# Altium PCB OCP-TimeCardMini-TI_V1.PcbDoc (part 2 of 11)
Units mil, origin at the board's own origin, x right, y up, seen from the top; angles counter-clockwise.
Board outline 5300.46 x 4396.02 mil, 10 copper layers (L01-TOP, L02-GND, L03-SIG, L04-GND, L05-PWR, L06-PWR, L07-GND, L08-SIG, L09-GND, L10-BOT), stack 77.164 mil thick; 832 components, 574 nets, 2904 pads, 1473 vias.
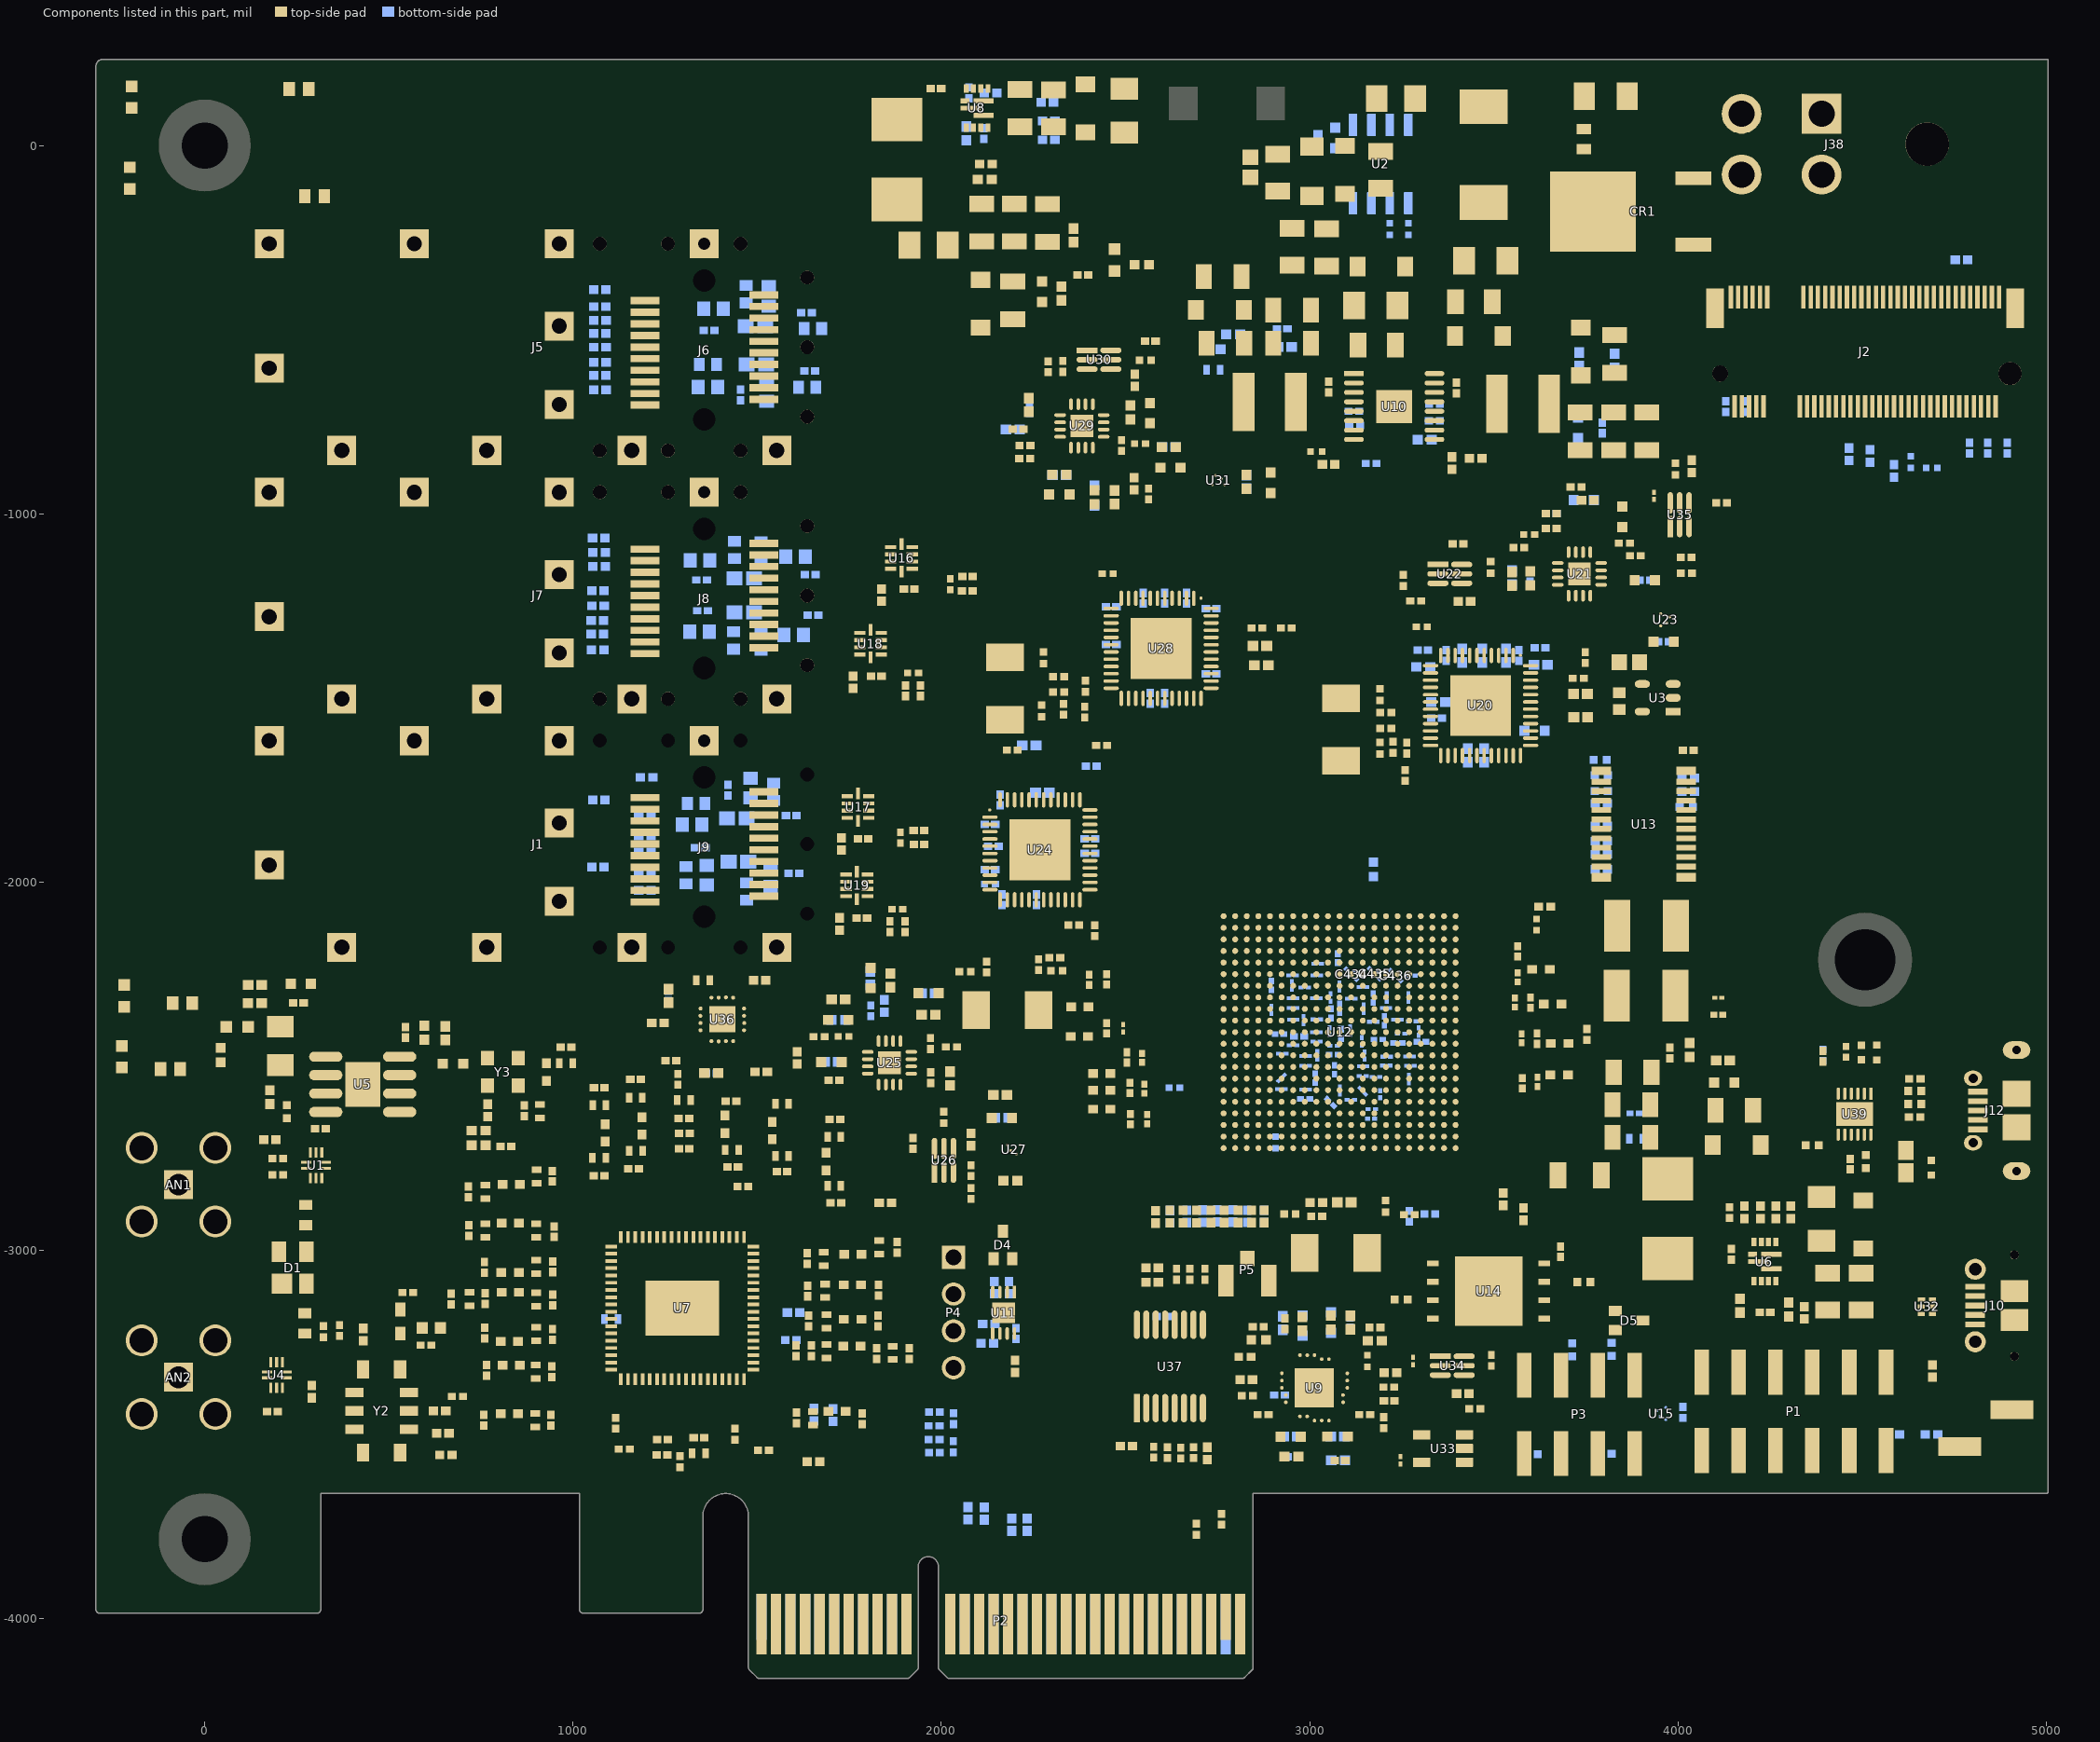
[diagram p10: the components of this part, seen from the top]

## Components (designator, comment, footprint, x,y, rotation, side; value= is the part's Value field where it differs from the comment) (continued)
C461 "47pF_50V_0402" CAPC1005X55X25LL05T10 4642.57,-2637.85 r0 top
C462 "10nF_50V_0402" FP-CC0402-MFG 4498.03,-2462.67 r90 top value="10 nF"
C463 "0.1uF_25V_0402" FP-0402-L_1_0_1-W_0_5_0_1-IPC_C 4467.36,-2765.63 r270 top
C464 "0.1uF_25V_0402" FP-0402-L_1_0_1-W_0_5_0_1-IPC_C 4467.36,-2765.63 r270 bottom
CR1 "MBRD10200CT-13" TO252(DPAK)_DIO 3838.58,-179.13 r90 top
D1 "8240136" SOT143-4L 238.93,-3047.17 r90 top
D2 "LTST-C191KGKT" FP-LTST-C191KGKT-MFG 88.47,-2393.32 r0 top
D3 "LTST-C191KGKT" FP-LTST-C191KGKT-MFG -198.79,131.25 r90 top
D4 "BAT54CWT1G" ONSC-SOT-323-3-419-04_V 2167.1,-2985.25 r90 top
D5 "BAT54CWT1G" ONSC-SOT-323-3-419-04_V 3867.34,-3190.22 r0 top
D9 "LTST-C191KGKT" FP-LTST-C191KGKT-MFG -203.78,-88.58 r90 top
D10 "LTST-C191KGKT" FP-LTST-C191KGKT-MFG -218.85,-2308.96 r90 top
D11 "LTST-C191KGKT" FP-LTST-C191KGKT-MFG -224.71,-2473.96 r90 top
D12 "LTST-C191KGKT" FP-LTST-C191KGKT-MFG 2470.18,-310.55 r90 top
D23 "SMDJ12A" FP-DO-214AB_SMC_J-Bend-MFG 3472.64,-24.61 r270 top
F1 "FUSE_0603_5.00A" FUSM1608X60N 3744.09,17.36 r90 top value=5.00A
FB1 "BLM18KG221SN1D" FP-BLM18-0_15-t0_8-IPC_B 1498.03,-594.49 r0 bottom
FB2 "BLM18KG221SN1D" FP-BLM18-0_15-t0_8-IPC_B 1495.28,-490.16 r0 bottom
FB3 "BLM18KG221SN1D" FP-BLM18-0_15-t0_8-IPC_B 1464.81,-1267.76 r0 bottom
FB4 "BLM18KG221SN1D" FP-BLM18-0_15-t0_8-IPC_B 1464.81,-1174.63 r0 bottom
FB5 "742792641" FP-742792641-MFG 531.32,-3193.11 r90 top
FB6 "BLM18KG221SN1D" FP-BLM18-0_15-t0_8-IPC_B 1444.75,-1826.32 r0 bottom
FB7 "BLM18KG221SN1D" FP-BLM18-0_15-t0_8-IPC_B 1448.99,-1944.6 r0 bottom
FB8 "ILHB1812ER121V" FP-ILHB1812-IPC_A 3913.11,-2308.25 r180 top
FB9 "ILHB1812ER121V" FP-ILHB1812-IPC_A 3914.68,-2118.2 r180 top
FB10 "600ohm_1.3A_0603" FP-BLM18-0_15-t0_8-IPC_A 4619.18,-2758.63 r270 top
J1 "74754-0101" MOLX-74754-0101_V#1 905.51,-1896.5 r90 top locked
J2 "2199119-3" FP-2199119-3-MFG 4507.87,-564.98 r0 top
J5 "74754-0101" MOLX-74754-0101_V#2 905.51,-547.24 r90 top locked
J6 "1367073-1" TECO-1367073-1_V 1356.3,-547.24 r270 top locked
J7 "74754-0101" MOLX-74754-0101_V#2 905.51,-1221.87 r90 top locked
J8 "1367073-1" TECO-1367073-1_V 1356.3,-1221.87 r270 top locked
J9 "1367073-1" TECO-1367073-1_V 1356.3,-1896.5 r270 top
J10 "105017-0001" USB-MICRO-B_V 4860.24,-3149.61 r90 top
J11 "87898-0204" FP-87898-0204-MFG 4835.63,-3482.28 r90 top
J12 "47589-0001" MOLX-47589-0001_V 4860.24,-2620.13 r90 top
J38 "39-30-0040" FP-39-30-0040-MFG 4686.76,3.76 r90 top
L1 "1.2uH_9A" "WE-LHMI 7050" 3971.63,-2913.43 r90 top
L2 "742792780" SMD-0402 1757.15,-3259.89 r180 top
L3 "742792780" SMD-0402 829.89,-3113.47 r0 top
L4 "742792780" SMD-0402 1758.96,-3186.94 r180 top
L5 "742792780" SMD-0402 826.86,-3246.92 r0 top
L6 "742792780" SMD-0402 828.99,-3059.97 r0 top
L7 "742792780" SMD-0402 1412.43,-2657.4 r270 top
L8 "742792780" SMD-0402 829.89,-2926.1 r0 top
L9 "742792780" SMD-0402 1758.04,-3093.18 r180 top
L10 "742792780" SMD-0402 1540.76,-2674.76 r270 top
L11 "742792780" SMD-0402 1716.33,-3437.16 r180 top
L12 "742792780" SMD-0402 831.88,-2820.59 r0 top
L13 "742792780" SMD-0402 832.04,-3311.71 r0 top
L14 "742792780" SMD-0402 1687.15,-2758.69 r270 top
L15 "742792780" SMD-0402 826.86,-3443.66 r0 top
L16 "742792780" SMD-0402 1087.13,-2680.94 r270 top
L17 "742792780" SMD-0402 1759.5,-3010.81 r180 top
L18 "742792780" SMD-0402 1187.55,-2662.02 r270 top
L19 "742792780" SMD-0402 928.12,-2515.61 r270 top
L20 "1.2uH_9A" "WE-LHMI 7050" 1878.77,-37.92 r270 top
L21 "2.2uH_3.5A_29.9mOhm" FP-NRS5030-H_3_1-MFG 2891.48,-696.42 r0 top
L22 "2.2uH_3.5A_29.9mOhm" FP-NRS5030-H_3_1-MFG 3579.43,-701.25 r0 top
L23 "742792780" SMD-0402 2435.53,-2565.29 r0 top
L24 "742792780" SMD-0402 2375.98,-2338.96 r0 top
L25 "742792780" SMD-0402 2435.53,-2616.38 r0 top
L26 "742792780" SMD-0402 3677.17,-2523.52 r180 top
L27 "742792780" SMD-0402 3678.54,-2437.76 r180 top
L28 "742792780" SMD-0402 2374.33,-2419.04 r0 top
L29 "742792780" SMD-0402 2435.53,-2519.17 r0 top
L30 "742792780" SMD-0402 3627.98,-2236.93 r180 top
L31 "742792780" SMD-0402 3659.78,-2330.84 r180 top
P1 "61031221121" 61031221121 4314.96,-3437.01 r0 top
P2 "PCIex4" PCIE_4LANE_EDGE 2161.41,-3907.03 r0 top
P3 "61030821121" 61030821121 3732.28,-3444.88 r0 top
P4 "61300411121" 61300411121 2033.06,-3168.41 r270 top
P5 "U.FL-R-SMT(01)" HRS-U.FL-R-SMT(10)_V 2830.79,-3081.75 r270 top
R1 "4.7K_1%_0402" RESC1005X40X25NL10T10 1194.88,-1823.67 r180 bottom
R2 "4.7K_1%_0402" RESC1005X40X25NL10T10 1072.76,-391.18 r0 bottom
R3 "4.7K_1%_0402" RESC1005X40X25NL10T10 1072.76,-510.28 r0 bottom
R4 "4.7K_1%_0402" RESC1005X40X25NL10T10 1072.83,-547.68 r0 bottom
R5 "4.7K_1%_0402" RESC1005X40X25NL10T10 1072.83,-589.02 r0 bottom
R6 "4.7K_1%_0402" RESC1005X40X25NL10T10 1072.76,-624 r0 bottom
R7 "2mOhm_1%_1206" RESC3216X89X64NL25T25 3234.21,127.7 r180 top
R8 "4.7K_1%_0402" RESC1005X40X25NL10T10 1072.83,-663.58 r0 bottom
R9 "DNI_4.7K_1%_0402" RESC1005X40X25NL10T10 1072.83,-474.6 r180 bottom
R10 "4.7K_1%_0402" RESC1005X40X25NL10T10 1069.77,-1066.08 r0 bottom
R11 "4.7K_1%_0402" RESC1005X40X25NL10T10 1067.57,-1208.78 r0 bottom
R12 "4.7K_1%_0402" RESC1005X40X25NL10T10 1067.89,-1249.79 r0 bottom
R13 "4.7K_1%_0402" RESC1005X40X25NL10T10 1065.96,-1289.95 r0 bottom
R14 "4.7K_1%_0402" RESC1005X40X25NL10T10 176.62,-2699.18 r0 top
R15 "4.7K_1%_0402" RESC1005X40X25NL10T10 1199.68,-1715.4 r180 bottom
R16 "4.7K_1%_0402" RESC1005X40X25NL10T10 1065.96,-1326.2 r0 bottom
R17 "4.7K_1%_0402" RESC1005X40X25NL10T10 1066.9,-1369.51 r0 bottom
R18 "DNI_4.7K_1%_0402" RESC1005X40X25NL10T10 1070.77,-1104.98 r180 bottom
R19 "4.7K_1%_0402" RESC1005X40X25NL10T10 1194.88,-1874.85 r180 bottom
R20 "10K" RESC1608X55X30LL15T20 3840.45,-1508.44 r90 top
R21 "4.7K_1%_0402" RESC1005X40X25NL10T10 1194.88,-1918.15 r180 bottom
R22 "4.7K_1%_0402" RESC1005X40X25NL10T10 4769.68,-310.33 r180 bottom
R23 "DNI_0_5%_0402" RESC1005X40X25LL10T10 2692.54,-3757.08 r270 top
R24 "0_5%_0402" RESC1005X40X25LL10T10 2760.88,-3729.72 r270 top
R25 "4.7K_1%_0402" RESC1005X40X25NL10T10 1067.57,-1958.74 r0 bottom
R26 "4.7K_1%_0402" RESC1005X40X25NL10T10 1194.88,-1969.33 r180 bottom
R27 "4.7K_1%_0402" RESC1005X40X25NL10T10 1194.88,-2022.48 r180 bottom
R28 "DNI_4.7K_1%_0402" RESC1005X40X25NL10T10 1069.89,-1776.42 r180 bottom
R29 "4.7K_1%_0402" RESC1005X40X25NL10T10 290.54,-3383.65 r270 top
R30 "2mOhm_1%_1206" RESC3216X89X64NL25T25 205.44,-2444.43 r90 top
R31 "200_1%_0402" FP-ERJ2RK-IPC_A 43.19,-2469.24 r90 top
R32 "2.94K_1%_0402" RESC1005X40X25ML05T10 176.62,-2583.71 r90 top
R33 "49.9R" RESC1608X55X25NL10T15 271.83,-3198.03 r90 top
R34 "1.13K_1%_0402" RESC1005X40X25NL05T05 223.18,-2623.83 r90 top
R35 "200 OHM" RESC1608X55X30NL15T15 255.91,153.54 r180 top
R36 "200 OHM" RESC1608X55X30NL15T15 298.23,-137.8 r180 top
R37 "4.7K_1%_0402" RESC1005X40X25NL10T10 4306.39,-2896.7 r270 top
R38 "200 OHM" RESC1608X55X30NL15T15 -60.54,-2328.24 r180 top
R39 "200 OHM" RESC1608X55X30NL15T15 -93.93,-2507.43 r180 top
R40 "4.7K_1%_0402" RESC1005X40X25NL10T10 4265.67,-2896.7 r270 top
R41 "45.3K_1%_0402" RESC1005X40X25ML05T10 4300.74,-3160.48 r270 top
R42 "DNI_4.7K_1%_0402" RESC1005X40X25NL10T10 4224.33,-2896.7 r270 top
R43 "10K_1%_0402" RESC1005X40X25NL10T10 4343.08,-3169.34 r90 top
R44 "DNI_0_5%_1206" RESC3116X65X50ML20T20 3804.13,133.86 r180 top
R45 "4.7K_1%_0402" RESC1005X40X25NL10T10 4180.24,-2896.7 r270 top
R46 "1.87K_1%_0402" RESC1005X40X25ML05T05 2861.71,-3243.07 r180 top
R47 "0_5%_0402" RESC1005X40X25LL10T10 2830.79,-3394.49 r180 top
R48 "1.5K_1%_0402" RESC1005X40X25NL05T10 2824.01,-3289.37 r0 top
R49 "0_5%_0402" RESC1005X40X25LL10T10 2873.64,-3445.79 r180 top
R50 "100_1%_0402" RESC1005X40X25ML05T10 3176.96,-3245.27 r180 top
R51 "0_5%_0402" RESC1005X40X25LL10T10 3214.61,-3370.88 r0 top
R52 "1.6K_1%_0402" RESC1005X40X25LL05T05 3157.14,-3300.2 r270 top
R53 "0_5%_0402" RESC1005X40X25LL10T10 3149.4,-3445.79 r0 top
R54 "0_5%_0402" RESC1005X40X25LL10T10 3338.69,-702.59 r0 bottom
R55 "0_5%_0402" RESC1005X40X25LL10T10 3120.15,-721.47 r180 bottom
R56 "30.1K_1%_0402" RESC1005X40X25NL10T10 3450.85,-849.01 r0 top
R57 "12.7K_1%_0402" RESC1005X40X25LL05T05 3017.66,-831.54 r0 top
R58 "4.7K_1%_0402" RESC1005X40X25NL10T10 1598.51,-3168.38 r0 bottom
R59 "0_5%_0402" RESC1005X40X25LL10T10 685.99,-3396.22 r0 top
R60 "22.1K_1%_0402" RESC1005X40X25NL10T10 3051.18,-866.14 r180 top
R61 "22.1K_1%_0402" RESC1005X40X25NL10T10 3386.07,-862.2 r90 top
R62 "0_1%_0402" RESC1005X40X25LL05T05 3216.88,-226.38 r270 bottom
R63 "4.7K_1%_0402" RESC1005X40X25NL10T10 3219.15,-3331.51 r180 top
R64 "0_1%_0402" RESC1005X40X25LL05T05 3267.57,-226.38 r270 bottom
R65 "4.7K_1%_0402" RESC1005X40X25NL10T10 2828.06,-3351.2 r0 top
R66 "240_1%_0402" RESC1005X40X25ML05T05 3173.23,-1965.55 r270 bottom
R67 "4.7K_1%_0402" RESC1005X40X25NL10T10 4584.65,-3499.78 r180 bottom
R68 "4.7K_1%_0402" RESC1005X40X25NL10T10 4688.41,-3499.78 r180 bottom
R69 "27_1%_0402" RESC1005X40X25NL05T05 3601.97,-3553.57 r180 bottom
R70 "4.7K_1%_0402" RESC1005X40X25NL10T10 1847.96,-2870.8 r0 top
R71 "4.7K_1%_0402" RESC1005X40X25NL10T10 1608.61,-2477.23 r270 top
R72 "3.01K_1%_0402" RESC1005X40X25LL05T10 2632.8,-2558.07 r0 bottom
R73 "DNI_0_5%_0402" RESC1005X40X25LL10T10 1980.32,-3476.38 r0 bottom
R74 "4.7K_1%_0402" RESC1005X40X25NL10T10 2124.84,-3252.32 r180 bottom
R75 "4.7K_1%_0402" RESC1005X40X25NL10T10 2128.96,-3199.7 r180 bottom
R76 "4.7K_1%_0402" RESC1005X40X25NL10T10 2200.17,-3314.92 r270 top
R77 "4.7K_1%_0402" RESC1005X40X25NL10T10 2144.1,-3101.04 r90 bottom
R78 "4.7K_1%_0402" RESC1005X40X25NL10T10 2183.47,-3101.04 r270 bottom
R79 "0_5%_0402" RESC1005X40X25LL10T10 1290.23,-3573.58 r90 top
R80 "0_5%_0402" RESC1005X40X25LL10T10 1284.79,-2535.11 r270 top
R81 "0_5%_0402" FP-AC0402-0_37-IPC_B 654.65,-3555.36 r180 top
R82 "4.7K_1%_0402" RESC1005X40X25NL10T10 430.14,-3228.55 r270 top
R83 "4.7K_1%_0402" RESC1005X40X25NL10T10 646.49,-3496.6 r0 top
R84 "4.7K_1%_0402" RESC1005X40X25NL10T10 637.62,-3435.78 r0 top
R85 "27_1%_0402" RESC1005X40X25NL05T05 3743.94,-3085.77 r180 top
R86 "49.9_1%_0402" RESC1005X40X25NL10T10 1652.74,-3573.43 r180 top
R87 "100_1%_0402" RESC1005X40X25ML05T10 743.59,-2675.01 r180 top
R88 "49.9_1%_0402" RESC1005X40X25NL10T10 767.98,-2619.9 r270 top
R89 "100_1%_0402" RESC1005X40X25ML05T10 743.59,-2714.38 r0 top
R90 "4.7K_1%_0402" RESC1005X40X25NL10T10 2287.6,117.84 r180 bottom
R91 "4.7K_1%_0402" RESC1005X40X25NL10T10 2291.54,66.61 r180 bottom
R92 "45.3K_1%_0402" RESC1005X40X25ML05T10 2117.83,-91.92 r180 top
R93 "DNI_4.7K_1%_0402" RESC1005X40X25NL10T10 2291.54,15.53 r180 bottom
R94 "4.7K_1%_0402" RESC1005X40X25NL10T10 2133.53,143.01 r180 bottom
R95 "10K_1%_0402" RESC1005X40X25NL10T10 2120.84,-50.09 r0 top
R96 "27_1%_0402" RESC1005X40X25NL05T05 3248.68,-3133.33 r0 top
R97 "27_1%_0402" RESC1005X40X25NL05T05 3819.68,-3268.21 r90 bottom
R98 "DNI_0_1%_0402" RESC1005X40X25LL05T05 4688.98,-875 r180 bottom
R99 "4.7K_1%_0402" RESC1005X40X25NL10T10 4464.57,-838.06 r270 bottom
R100 "4.7K_1%_0402" RESC1005X40X25NL10T10 4521.65,-842.97 r270 bottom
R101 "4.7K_1%_0402" RESC1005X40X25NL10T10 4586.61,-883.46 r270 bottom
R102 "0_1%_0402" RESC1005X40X25LL05T05 4631.89,-859.7 r270 bottom
R103 "27_1%_0402" RESC1005X40X25NL05T05 3801.97,-3551.66 r0 bottom
R104 "27_1%_0402" RESC1005X40X25NL05T05 3712.6,-3269.69 r90 bottom
R105 "DNI_0_5%_0402" RESC1005X40X25LL10T10 4013.33,-3439.62 r270 bottom
R106 "4.7K_1%_0402" RESC1005X40X25NL10T10 1654.14,-3446.12 r90 bottom
R107 "4.7K_1%_0402" RESC1005X40X25NL10T10 1705.99,-3447.39 r90 bottom
R108 "49.9R" RESC1608X55X25NL10T15 274.73,-2903.98 r90 top
R109 "DNI_100_1%_0402" RESC1005X40X25LL05T10 2023.92,-1191.22 r270 top
R110 "0_5%_0402" RESC1005X40X25LL10T10 198.54,-2750.73 r180 top
R111 "0_5%_0402" RESC1005X40X25LL10T10 198.54,-2794.82 r180 top
R112 "0_5%_0402" RESC1005X40X25LL10T10 365.96,-3217.46 r90 top
R113 "4.7K_1%_0402" RESC1005X40X25NL10T10 1837.52,-1220.59 r90 top
R114 "DNI_100_1%_0402" RESC1005X40X25LL05T10 1888.69,-1879.39 r270 top
R115 "4.7K_1%_0402" RESC1005X40X25NL10T10 1728.95,-1896.5 r90 top
R116 "DNI_100_1%_0402" RESC1005X40X25LL05T10 1923.03,-1431.69 r180 top
R117 "4.7K_1%_0402" RESC1005X40X25NL10T10 3791.9,-1847.44 r0 bottom
R118 "4.7K_1%_0402" RESC1005X40X25NL10T10 3791.9,-1888.78 r0 bottom
R119 "4.7K_1%_0402" RESC1005X40X25NL10T10 3791.9,-1924.21 r0 bottom
R120 "4.7K_1%_0402" RESC1005X40X25NL10T10 3791.9,-1965.55 r0 bottom
R121 "27_1%_0402" RESC1005X40X25NL05T05 3791.9,-1752.95 r180 bottom
R122 "0_5%_0402" RESC1005X40X25LL10T10 322.04,-3220.51 r90 top
R123 "4.7K_1%_0402" RESC1005X40X25NL10T10 4027.73,-1716.9 r180 bottom
R124 "4.7K_1%_0402" RESC1005X40X25NL10T10 4027.73,-1754 r180 bottom
R125 "4.7K_1%_0402" RESC1005X40X25NL10T10 1760.15,-1457.14 r90 top
R126 "27_1%_0402" RESC1005X40X25NL05T05 3789,-1667.51 r180 bottom
R127 "27_1%_0402" RESC1005X40X25NL05T05 3791.9,-1709.64 r180 bottom
R128 "27_1%_0402" RESC1005X40X25NL05T05 4022.21,-1796.26 r0 bottom
R129 "DNI_100_1%_0402" RESC1005X40X25LL05T10 1880.67,-2073.3 r180 top
R130 "4.7K_1%_0402" RESC1005X40X25NL10T10 1724.03,-2113.76 r90 top
R131 "11K_1%_0402" RESC1005X40X25LL05T10 3304.33,-1306.99 r180 top
R132 "2.2K_1%_0402" RESC1005X40X25ML10T10 3735.8,-1551.74 r0 top
R133 "2.2K_1%_0402" RESC1005X40X25ML10T10 3735.2,-1489.36 r0 top
R134 "200K_1%_0402" RESC1005X40X25LL10T10 3854.43,-1079.48 r0 top
R135 "130K_1%_0402" RESC1005X40X25NL10T10 3754.88,-962.89 r180 top
R136 "60.4K_1%_0402" RESC1005X40X25LL05T10 3595.82,-1056.16 r180 top
R137 "49.9K_1%_0402" RESC1005X40X25LL10T10 3884.18,-1113.49 r180 top
R138 "49.9K_1%_0402" RESC1005X40X25LL10T10 3723.05,-927.43 r0 top
R139 "2mOhm_1%_1206" RESC3216X89X64NL25T25 1965.39,-270.2 r0 top
R140 "49.9K_1%_0402" RESC1005X40X25LL10T10 3567.85,-1091.91 r0 top
R141 "4.7K_1%_0402" RESC1005X40X25NL10T10 3420.25,-1237.95 r0 top
R142 "200_1%_0402" FP-ERJ2RK-IPC_A 2544.45,-323.57 r180 top
R143 "0_5%_0402" RESC1005X40X25LL10T10 3287.78,-1236.5 r180 top
R144 "DNI_0_5%_0402" RESC1005X40X25LL10T10 3253.88,-1180.85 r90 top
R145 "11K_1%_0402" RESC1005X40X25LL05T10 2131.87,-2005.54 r0 bottom
R146 "2.2K_1%_0402" RESC1005X40X25ML10T10 2274.23,-1756.97 r180 bottom
R147 "2.2K_1%_0402" RESC1005X40X25ML10T10 2238.19,-1628.77 r0 bottom
R148 "200K_1%_0402" RESC1005X40X25LL10T10 1970.44,-2438.34 r270 top
R149 "130K_1%_0402" RESC1005X40X25NL10T10 1845.01,-2336.35 r270 bottom
R150 "60.4K_1%_0402" RESC1005X40X25LL05T10 1734.42,-2419.04 r180 top
R151 "49.9K_1%_0402" RESC1005X40X25LL10T10 2027.42,-2447.25 r180 top
R152 "49.9K_1%_0402" RESC1005X40X25LL10T10 1808.23,-2349.1 r270 bottom
R153 "49.9K_1%_0402" RESC1005X40X25LL10T10 1667.85,-2419.68 r0 top
R154 "4.7K_1%_0402" RESC1005X40X25NL10T10 2080.31,-2698.92 r270 top
R155 "0_5%_0402" RESC1005X40X25LL10T10 2080.31,-2783.7 r270 top
R156 "DNI_0_5%_0402" RESC1005X40X25LL10T10 2080.31,-2845.21 r270 top
R157 "11K_1%_0402" RESC1005X40X25LL05T10 2451.43,-1162.63 r180 top
R158 "2.2K_1%_0402" RESC1005X40X25ML10T10 2868.68,-1411.17 r0 top
R159 "2.2K_1%_0402" RESC1005X40X25ML10T10 2864.74,-1358.34 r0 top
R160 "200K_1%_0402" RESC1005X40X25LL10T10 2226.2,-850.03 r0 top
R161 "130K_1%_0402" RESC1005X40X25NL10T10 2523.07,-918.26 r90 top
R162 "60.4K_1%_0402" RESC1005X40X25LL05T10 2539.45,-809.54 r180 top
R163 "49.9K_1%_0402" RESC1005X40X25LL10T10 2227.03,-814.73 r0 top
R164 "49.9K_1%_0402" RESC1005X40X25LL10T10 2562.5,-946.42 r90 top
R165 "4.7K_1%_0402" RESC1005X40X25NL10T10 1072.76,-437.44 r0 bottom
R166 "4.7K_1%_0402" RESC1005X40X25NL10T10 1070.84,-1143.13 r0 bottom
R167 "4.7K_1%_0402" RESC1005X40X25NL10T10 3791.9,-1786.42 r0 bottom
R168 "49.9K_1%_0402" RESC1005X40X25LL10T10 2489.03,-814.73 r270 top
R169 "4.7K_1%_0402" RESC1005X40X25NL10T10 2525.36,-637.52 r90 top
R170 "0_5%_0402" RESC1005X40X25LL10T10 2289.88,-600.59 r270 top
R171 "DNI_0_5%_0402" RESC1005X40X25LL10T10 2329.75,-599.79 r90 top
R172 "499_1%_0402" RESC1005X40X25LL05T05 2907.99,-2706.6 r90 bottom
R173 "9.76K_1%_0402" RESC1005X40X25NL05T10 3638.15,-2066.85 r180 top
R174 "56.2K_1%_0402" RESC1005X40X25LL05T05 3615.92,-2115.31 r270 top
R175 "0_5%_0402" RESC1005X40X25LL10T10 2074.47,143.01 r270 bottom
R176 "0_5%_0402" RESC1005X40X25LL10T10 3200.59,-3467.48 r90 top
R177 "0_5%_0402" RESC1005X40X25LL10T10 3166.88,-863.34 r0 bottom
R178 "0_5%_0402" RESC1005X40X25LL10T10 4118.63,-970.17 r0 top
R179 "0_5%_0402" RESC1005X40X25LL10T10 4139.97,-2897.33 r90 top
R180 "0_5%_0402" RESC1005X40X25LL10T10 3448.25,-3429.78 r180 top
R181 "4.7K_1%_0402" RESC1005X40X25NL10T10 3415.69,-3389.17 r0 top
R182 "4.7K_1%_0402" RESC1005X40X25NL10T10 4037.46,-871.06 r270 top
R183 "0_5%_0402" RESC1005X40X25LL10T10 4022.66,-1161.54 r0 top
R184 "DNI_0_5%_0402" RESC1005X40X25LL10T10 4022.21,-1118.39 r180 top
R185 "4.7K_1%_0402" RESC1005X40X25NL10T10 4691.17,-3327.38 r90 top
R186 "DNI_0_5%_0402" RESC1005X40X25LL10T10 3270.77,-2907.11 r270 bottom
R187 "0_5%_0402" RESC1005X40X25LL10T10 3325.88,-2901.3 r0 bottom
R188 "4.7K_1%_0402" RESC1005X40X25NL10T10 2876.49,-2907.6 r90 top
R189 "4.7K_1%_0402" RESC1005X40X25NL10T10 2842.03,-2907.6 r90 top
R190 "4.7K_1%_0402" RESC1005X40X25NL10T10 2791.86,-2906.44 r90 bottom
R191 "4.7K_1%_0402" RESC1005X40X25NL10T10 2805.2,-2907.6 r90 top
R192 "4.7K_1%_0402" RESC1005X40X25NL10T10 2709.31,-2907.12 r90 bottom
R193 "4.7K_1%_0402" RESC1005X40X25NL10T10 2749.07,-2906.29 r90 bottom
R194 "4.7K_1%_0402" RESC1005X40X25NL10T10 2732.36,-2907.6 r90 top
R195 "4.7K_1%_0402" RESC1005X40X25NL10T10 2767.67,-2907.6 r90 top
R196 "4.7K_1%_0402" RESC1005X40X25NL10T10 2666.7,-2907.76 r90 bottom
R197 "4.7K_1%_0402" RESC1005X40X25NL10T10 2830.08,-2907.42 r90 bottom
R198 "4.7K_1%_0402" RESC1005X40X25NL10T10 2876.49,-2907.6 r90 bottom
R199 "4.7K_1%_0402" RESC1005X40X25NL10T10 2656.22,-2908.01 r90 top
R200 "4.7K_1%_0402" RESC1005X40X25NL10T10 2692.67,-2908.01 r90 top
R201 "4.7K_1%_0402" RESC1005X40X25NL10T10 2620.99,-2908.3 r90 bottom
R202 "4.7K_1%_0402" RESC1005X40X25NL10T10 2619.94,-2908.01 r90 top
R203 "4.7K_1%_0402" RESC1005X40X25NL10T10 2581.74,-2908.95 r90 top
R204 "0_5%_0402" RESC1005X40X25LL10T10 1981.11,-3438.75 r0 bottom
R205 "0_5%_0402" RESC1005X40X25LL10T10 1981.11,-3549.2 r0 bottom
R206 "0_5%_0402" RESC1005X40X25LL10T10 2033.06,-3457.01 r270 bottom
R207 "0_5%_0402" RESC1005X40X25LL10T10 2032.65,-3533.07 r90 bottom
R208 "0_5%_0402" RESC1005X40X25LL10T10 1115.86,-3469.36 r90 top
R209 "0_5%_0402" RESC1005X40X25LL10T10 1138.91,-3539.36 r0 top
R210 "0_5%_0402" RESC1005X40X25LL10T10 1517.22,-3542.83 r0 top
R211 "DNI_0_5%_0402" RESC1005X40X25LL10T10 3019.16,-2907.6 r0 top
R212 "DNI_0_5%_0402" RESC1005X40X25LL10T10 3270.77,-2903.17 r0 top
R213 "0_5%_0402" RESC1005X40X25LL10T10 1460.91,-2826.53 r0 top
R214 "0_5%_0402" RESC1005X40X25LL10T10 1439.55,-3498.89 r90 top
R215 "0_5%_0402" RESC1005X40X25LL10T10 3226.22,-1633.94 r90 top
R216 "4.7K_1%_0402" RESC1005X40X25NL10T10 1506.61,-2266.73 r0 top
R217 "0_5%_0402" RESC1005X40X25LL10T10 2331.9,-1530.35 r90 top
R218 "DNI_0_5%_0402" RESC1005X40X25LL10T10 3206.67,-1582.37 r0 top
R219 "DNI_0_5%_0402" RESC1005X40X25LL10T10 3206.67,-1539.67 r0 top
R220 "4.7K_1%_0402" RESC1005X40X25NL10T10 1510.87,-2515.16 r0 top
R221 "0_5%_0402" RESC1005X40X25LL10T10 2308.09,-2205.17 r180 top
R222 "49.9_1%_0402" RESC1005X40X25NL10T10 1230.54,-2382.28 r0 top
R223 "49.9_1%_0402" RESC1005X40X25NL10T10 3018.04,-2869.82 r0 top
R224 "49.9_1%_0402" RESC1005X40X25NL10T10 2722.02,-3551.18 r90 top
R225 "0_5%_0402" RESC1005X40X25LL10T10 2576.32,-3547.83 r90 top
R226 "0_5%_0402" RESC1005X40X25LL10T10 2613.47,-3548.72 r90 top
R227 "0_5%_0402" RESC1005X40X25LL10T10 2649.92,-3549.92 r90 top
R228 "DNI_0_5%_0402" RESC1005X40X25LL10T10 2318.31,-1484.2 r0 top
R229 "DNI_0_5%_0402" RESC1005X40X25LL10T10 2318.31,-1442.22 r0 top
R230 "0_5%_0402" RESC1005X40X25LL10T10 2684.38,-3549.16 r90 top
R231 "0_5%_0402" RESC1005X40X25LL10T10 2638.66,-3064.73 r270 top
R232 "0_5%_0402" RESC1005X40X25LL10T10 2674.54,-3064.73 r270 top
R233 "0_5%_0402" RESC1005X40X25LL10T10 2715.83,-3064.73 r90 top
R234 "4.7K_1%_0402" RESC1005X40X25NL10T10 2502.3,-3531.02 r180 top
R235 "4.7K_1%_0402" RESC1005X40X25NL10T10 2572.38,-3047.47 r0 top